# Altium PCB 考勤机主板3.0（改）.PcbDoc (continued)
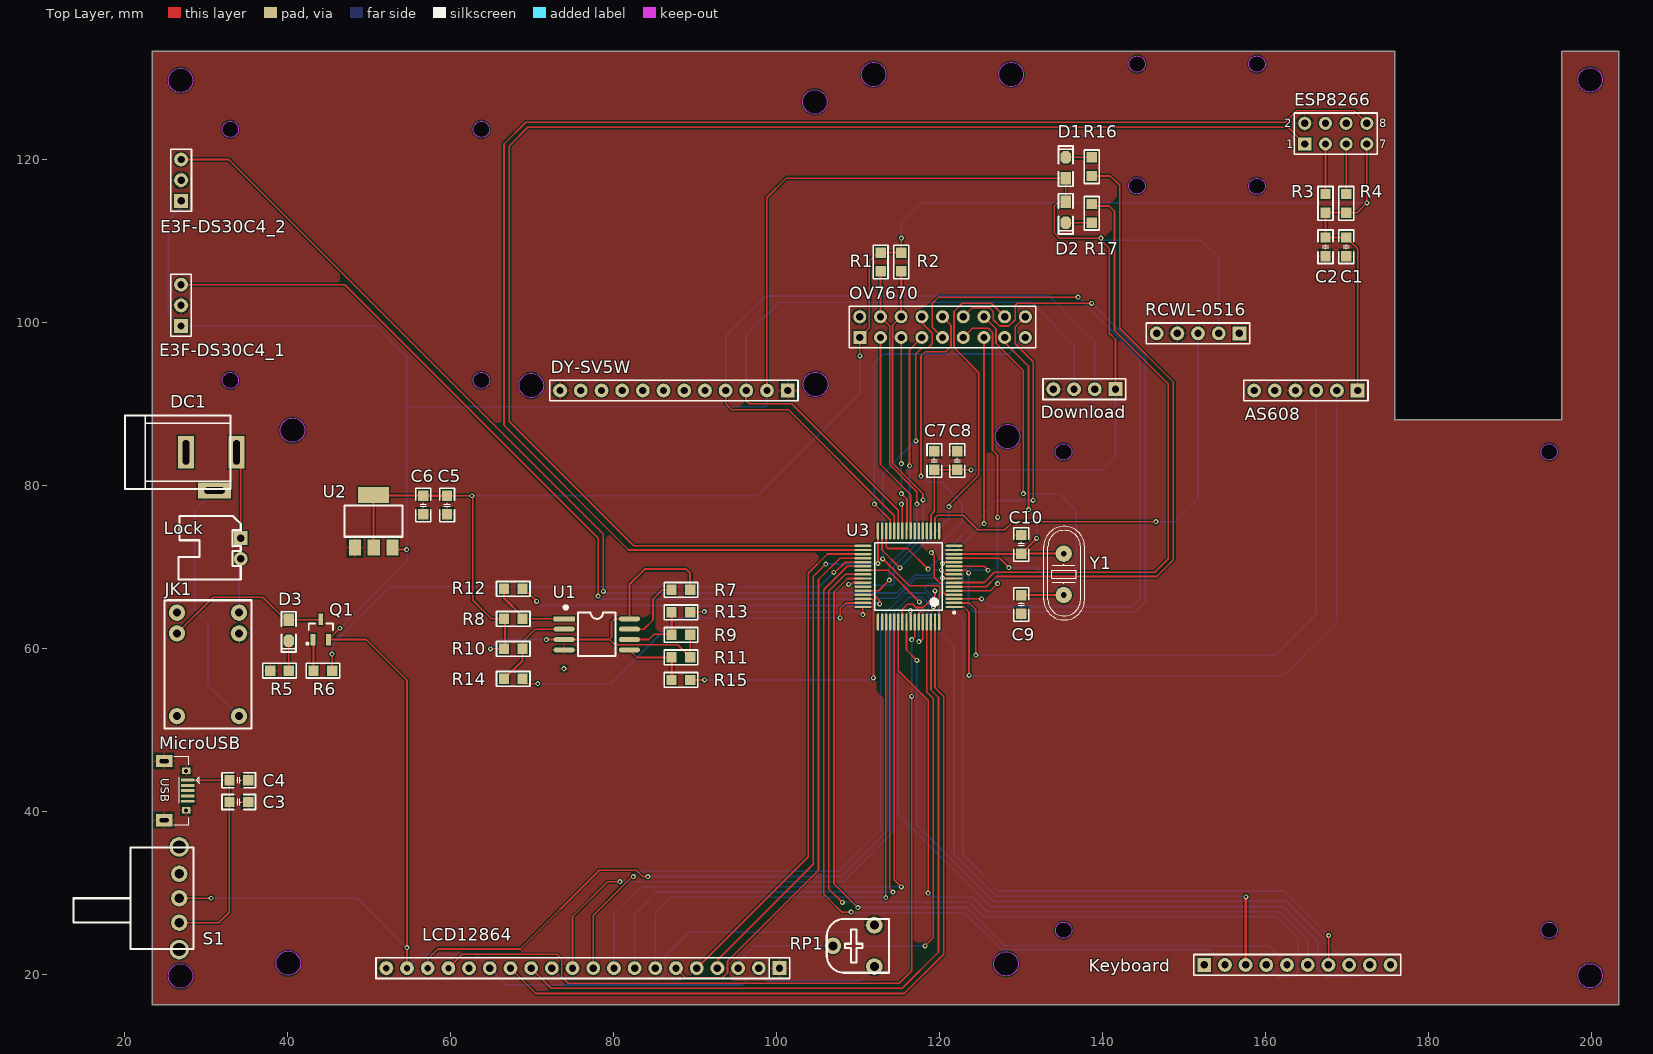
[diagram p0: Top Layer view]
## Nets (pads, with @x,y where several pads share a name; then routed paths per layer and width w, separated by ;. In a path a pad name is that pad's centre, name@x,y a point inside that pad or via, vN(x,y) a via of type N, cw(c..) or ccw(c..) an arc to the next point about the centre after c; other vN are vias at no path point) (continued)
  Bottom Layer w0.203: v1(80.772,31.369) 108.204,31.369 114.3,37.465 114.3,63.627 116.078,65.405 116.713,65.405 117.475,64.643 v1(117.475,60.833)
P05: LCD12864.12 U3.61 | length 91.1
  Top Layer w0.203: v1(118.237,23.495) 119.253,24.511 119.253,53.848 118.455,54.646 U3.61
  Bottom Layer w0.203: LCD12864.12 73.628,19.558 85.852,19.558 86.36,20.066 86.36,22.225 89.281,25.146 108.945,25.146 110.596,23.495 v1(118.237,23.495)
P06: LCD12864.13 U3.62 | length 93.8
  Top Layer w0.203: LCD12864.13 72.358,18.288 115.443,18.288 119.888,22.733 119.888,53.975 118.955,54.908 U3.62
P07: LCD12864.14 U3.63 | length 97.7
  Top Layer w0.203: LCD12864.14 70.453,17.653 115.697,17.653 120.523,22.479 120.523,54.102 119.455,55.17 U3.63
P10: OV7670.8 U3.64 | length 46
  Top Layer w0.203: v1(113.03,70.993) 116.332,67.691 119.919,67.691 120.038,67.572 120.038,66.571 119.978,66.511 119.978,64.225 119.974,64.221 119.974,63.253 U3.64 ; v1(117.094,85.471) 117.094,96.139 117.856,96.901 118.618,96.901 119.126,97.409 119.126,98.679 117.841,99.964 OV7670.8
  Bottom Layer w0.203: v1(113.03,70.993) 113.03,81.407 v1(117.094,85.471)
P11: OV7670.9 U3.3 | length 87.3
  Top Layer w0.203: OV7670.9 119.126,99.426 119.126,102.362 119.888,103.124 v1(137.033,103.124) ; U3.3 v1(125.178,66.084) ; v1(137.033,103.124) 136.969,103.124 137.019,103.075 136.824,103.075 136.873,103.124 v1(137.033,103.124)
  Bottom Layer w0.203: v1(125.178,66.084) 126.111,65.151 143.764,65.151 144.653,66.04 144.653,95.504 v1(137.033,103.124)
P12: OV7670.10 U3.4 | length 44.7
  Top Layer w0.203: v1(117.729,81.153) 117.602,81.153 117.538,81.216 117.729,81.407 117.729,95.885 118.237,96.393 120.777,96.393 121.412,97.028 121.412,97.952 ccw(c120.381,98.171) 121.412,98.39 121.412,99.68 121.352,99.74 OV7670.10 ; v1(118.999,71.755) 119.38,71.374 119.38,68.739 120.396,67.723 120.396,66.965 120.777,66.584 U3.4
  Bottom Layer w0.203: v1(117.729,81.153) 117.602,81.153 117.538,81.09 118.237,80.391 120.269,80.391 122.809,77.851 122.809,75.565 v1(118.999,71.755)
P13: OV7670.11 U3.5 | length 41.1
  Top Layer w0.203: U3.5 126.266,67.084 v1(127.127,67.945) ; OV7670.11 124.064,99.314 125.984,99.314 126.515,98.783 126.515,84.305 126.575,84.245 127.127,83.693 v1(127.127,76.073)
  Bottom Layer w0.203: v1(127.127,67.945) v1(127.127,76.073)
P14: OV7670.12 U3.10 | length 87.9
  Top Layer w0.203: U3.10@121.793,69.596 123.317,69.596 123.571,69.342 v1(123.571,69.263) ; OV7670.12 124.064,101.854 126.111,101.854 126.619,101.346 126.619,100.33 127.381,99.568 128.524,99.568 129.286,100.33 129.286,102.108 129.54,102.362 v1(138.684,102.362)
  Bottom Layer w0.203: v1(123.571,69.263) 123.571,65.151 124.206,64.516 144.018,64.516 145.288,65.786 145.288,95.758 v1(138.684,102.362)
P15: OV7670.13 U3.12 | length 31.6
  Top Layer w0.203: v1(120.355,70.399) 120.396,70.358 120.622,70.584 U3.12 ; v1(125.476,75.311) OV7670.13@125.476,98.171
  Bottom Layer w0.203: v1(120.355,70.399) 120.396,70.358 125.349,75.311 v1(125.476,75.311)
P16: C9.2 OV7670.14 U3.13 Y1.2 | length 62.7
  Top Layer w0.203: U3.13 127.417,71.084 128.524,69.977 v1(128.524,69.913) ; OV7670.14 125.467,100.711 126.947,99.231 126.947,98.448 126.947,97.462 130.302,94.107 v1(130.302,78.994)
  Top Layer w0.254: C9.2 Y1.2
  Bottom Layer w0.203: v1(128.524,69.913) 131.889,69.913 Y1.2 136.779,68.072 136.779,76.962 134.747,78.994 v1(130.302,78.994)
P17: C10.2 OV7670.15 U3.14 Y1.1 | length 42.8
  Top Layer w0.203: U3.14 C10.2@130.048,71.584 ; OV7670.15@128.268,97.904 OV7670.15 128.001,97.551 130.937,94.615 v1(130.937,77.03) ; C10.2 v1(131.931,73.511)
  Top Layer w0.254: C10.2 Y1.1
  Bottom Layer w0.203: v1(130.937,77.03) 131.931,76.036 v1(131.931,73.511)
P20: OV7670.6 R2.1 U3.42 | length 49.5
  Top Layer w0.203: v1(108.839,67.869) 108.907,67.801 109.076,67.801 109.359,68.084 U3.42 ; OV7670.6 114.245,99.655 114.245,82.732 117.983,78.994 v1(117.983,78.232)
  Top Layer w0.254: OV7670.6 115.301,104.125 115.316,104.14 115.316,106.172 R2.1@115.443,106.299
  Bottom Layer w0.203: v1(108.839,67.869) 111.523,67.869 111.65,67.742 114.224,67.742 114.421,67.939 114.421,70.098 117.983,73.66 v1(117.983,78.232)
P21: OV7670.4 R1.1 U3.44 | length 44.9
  Top Layer w0.203: U3.44 112.55,67.084 v1(113.855,68.389) ; OV7670.4 113.889,99.583 113.889,82.58 117.221,79.248 v1(117.221,77.724)
  Top Layer w0.254: OV7670.4 R1.1@112.761,106.299
  Bottom Layer w0.203: v1(113.855,68.389) 113.855,70.294 117.221,73.66 v1(117.221,77.724)
P32: OV7670.17 U3.29 | length 41.2
  Top Layer w0.203: v1(112.014,77.724) 113.955,75.783 U3.29
  Bottom Layer w0.203: v1(112.014,77.724) 112.014,94.996 113.157,96.139 128.509,96.139 OV7670.17 OV7670.17@130.541,98.201
P33: OV7670.18 U3.30 | length 48.6
  Top Layer w0.203: U3.30 113.455,72.473 113.665,72.263 116.078,72.263 v1(118.618,69.723) ; OV7670.18 129.286,99.456 129.286,97.409 131.496,95.199 v1(131.496,78.162)
  Bottom Layer w0.203: v1(118.618,69.723) 127.057,78.162 v1(131.496,78.162)
P34: OV7670.16 U3.31 | length 50.8
  Top Layer w0.203: U3.31 112.955,72.084 v1(115.14,69.899) ; v1(121.158,77.406) 121.158,77.597 124.841,81.28 124.841,93.853 121.793,96.901 121.793,101.346 122.809,102.362 126.35,102.362 OV7670.16
  Bottom Layer w0.203: v1(115.14,69.899) 121.158,75.917 v1(121.158,77.406) 121.158,76.073
P35: LCD12864.4 U3.32 | length 65.6
  Top Layer w0.203: LCD12864.4 92.787,20.797 92.787,21.794 104.521,33.528 104.521,68.834 v1(106.045,70.358) ; v1(112.455,70.425) U3.32
  Bottom Layer w0.203: v1(106.045,70.358) 112.388,70.358 v1(112.455,70.425)
P36: LCD12864.5 U3.35 | length 61.8
  Top Layer w0.203: LCD12864.5 103.886,34.436 103.886,69.215 106.255,71.584 U3.35
P37: LCD12864.6 U3.36 | length 66.5
  Top Layer w0.203: LCD12864.6 88.868,19.558 93.345,19.558 93.98,20.193 93.98,21.59 105.156,32.766 105.156,68.453 107.787,71.084 U3.36
P41: R6.2 U3.37 | length 72.5
  Top Layer w0.203: R6.2 v1(45.466,59.309) ; v1(107.029,69.342) 107.188,69.342 108.43,70.584 U3.37
  Bottom Layer w0.203: v1(45.466,59.309) 45.466,60.452 52.578,67.564 105.251,67.564 v1(107.029,69.342)
P43: LCD12864.17 U3.58 | length 103.9
  Top Layer w0.203: LCD12864.17 61.449,22.479 73.025,22.479 73.66,21.844 73.66,19.685 74.422,18.923 115.062,18.923 116.586,20.447 v1(116.586,54.102) ; v1(116.586,61.087) 116.955,61.456 U3.58
  Bottom Layer w0.203: v1(116.586,54.102) v1(116.586,61.087)
P44: LCD12864.18 U3.11 | length 117.6
  Top Layer w0.203: LCD12864.18 57.188,21.882 58.42,23.114 68.58,23.114 78.232,32.766 82.804,32.766 83.566,32.004 v1(84.201,32.004) ; U3.11 125.496,70.084 v1(125.984,69.596)
  Bottom Layer w0.203: v1(84.201,32.004) 107.95,32.004 113.665,37.719 113.665,63.627 116.332,66.294 117.856,66.294 118.618,65.532 118.618,64.262 118.745,64.135 119.769,64.135 119.888,64.254 119.888,65.659 118.194,67.353 118.194,67.521 118.618,67.945 122.555,67.945 122.936,68.326 122.936,69.596 123.161,69.821 123.802,69.821 124.028,69.596 v1(125.984,69.596)
P54: RCWL-0516.3 U3.18 | length 56.6
  Top Layer w0.203: U3.18 119.455,76.021 119.761,76.327 122.936,76.327 124.714,74.549 128.016,74.549 129.032,75.565 v1(146.558,75.565)
  Bottom Layer w0.203: v1(146.558,75.565) 148.971,75.565 151.737,78.331 RCWL-0516.3
P60: R16.2 U3.6 | length 80.9
  Top Layer w0.203: U3.6 125.75,67.584 127,68.834 146.685,68.834 148.717,70.866 148.717,92.71 142.113,99.314 142.113,116.84 140.97,117.983 R16.2
P61: R17.2 U3.7 | length 75.3
  Top Layer w0.203: U3.7 125.488,68.084 126.746,69.342 146.431,69.342 148.082,70.993 148.082,92.456 141.478,99.06 141.478,113.665 140.843,114.3 139.319,114.3
P62: E3F-DS30C4_1.3 U3.8 | length 116.1
  Top Layer w0.203: E3F-DS30C4_1.3 46.99,104.648 78.105,73.533 v1(78.105,66.421) ; v1(120.355,68.621) 120.392,68.584 U3.8
  Bottom Layer w0.203: v1(78.105,66.421) 78.486,66.04 112.078,66.04 112.214,66.176 114.649,66.176 117.078,68.605 120.339,68.605 v1(120.355,68.621)
P63: E3F-DS30C4_2.3 U3.9 | length 122.5
  Top Layer w0.203: E3F-DS30C4_2.3 32.766,120.015 78.74,74.041 v1(78.74,67.005) ; v1(120.222,69.643) 120.781,69.084 U3.9
  Bottom Layer w0.203: v1(78.74,67.005) 78.85,67.005 79.053,66.802 114.756,66.802 116.915,68.961 118.872,68.961 119.554,69.643 v1(120.222,69.643)
P65: OV7670.3 U3.24 | length 25.3
  Top Layer w0.203: OV7670.3 112.761,82.565 116.455,78.871 U3.24
P66: OV7670.5 U3.25 | length 24
  Top Layer w0.203: v1(115.316,78.994) 116.014,78.296 116.014,74.493 U3.25 ; v1(115.316,82.677) OV7670.5@115.316,98.156
  Bottom Layer w0.203: v1(115.316,78.994) v1(115.316,82.677)
P67: OV7670.7 U3.26 | length 24.8
  Top Layer w0.203: v1(115.316,77.724) 115.455,77.585 U3.26 ; v1(116.332,82.423) 116.332,96.662 OV7670.7
  Bottom Layer w0.203: v1(115.316,77.724) 116.332,78.74 v1(116.332,82.423)
P70: Keyboard.2 U3.38 | length 96.2
  Top Layer w0.203: v1(109.156,27.622) 108.014,27.622 106.389,29.247 105.791,29.845 105.791,67.183 108.692,70.084 U3.38
  Bottom Layer w0.203: v1(109.156,27.622) 109.22,27.559 123.063,27.559 127.58,23.042 153.155,23.042 Keyboard.2
P71: Keyboard.3 U3.39 | length 87.6
  Top Layer w0.203: U3.39 113.677,69.584 v1(117.538,65.722)
  Top Layer w0.254: Keyboard.3 157.593,21.172 157.593,29.501 v1(157.607,29.515)
  Bottom Layer w0.203: v1(117.538,65.722) 118.051,65.21 118.051,64.067 121.793,60.325 121.793,34.798 127,29.591 157.531,29.591 v1(157.607,29.515)
P72: Keyboard.4 U3.40 | length 110.6
  Top Layer w0.203: v1(108.077,28.829) 106.426,30.48 106.426,67.056 108.454,69.084 U3.40
  Bottom Layer w0.203: v1(108.077,28.829) 123.698,28.829 123.699,28.828 125.476,27.051 161.417,27.051 163.957,24.511 163.957,20.193 163.449,19.685 161.592,19.685 Keyboard.4
P73: Keyboard.5 U3.41 | length 99.8
  Top Layer w0.203: v1(109.982,28.194) 107.061,31.115 107.061,66.929 108.711,68.579 110.6,68.579 U3.41
  Bottom Layer w0.203: v1(109.982,28.194) 112.84,28.194 123.317,28.194 128.016,23.495 160.401,23.495 Keyboard.5@162.699,21.197
P74: Keyboard.6 U3.54 | length 86.8
  Top Layer w0.203: U3.54 114.955,57.257 118.618,53.594 118.619,53.593 v1(118.618,29.972)
  Bottom Layer w0.203: v1(118.618,29.972) 119.126,29.464 124.079,29.464 125.857,27.686 161.798,27.686 165.199,24.285 Keyboard.6
P75: Keyboard.7 U3.55 | length 93.8
  Top Layer w0.203: U3.55 115.443,63.246 115.443,64.77 116.078,65.405 116.713,65.405 117.094,65.024 117.995,65.024 119.454,66.483 v1(119.454,67.056) ; Keyboard.7@167.767,21.948 v1(167.767,24.765)
  Top Layer w0.254: Keyboard.7 167.767,21.186 167.64,21.313 167.767,21.44 167.513,21.694 Keyboard.7@167.767,21.948
  Bottom Layer w0.203: v1(119.454,67.056) 122.936,63.574 122.936,34.671 127.381,30.226 162.306,30.226 v1(167.767,24.765)
P76: Keyboard.8 U3.56 | length 85.6
  Top Layer w0.203: U3.56 115.955,59.813 v1(117.221,58.547)
  Bottom Layer w0.203: v1(117.221,58.547) 117.221,38.354 126.619,28.956 162.56,28.956 Keyboard.8@170.319,21.197
P77: Keyboard.9 U3.57 | length 95.8
  Top Layer w0.203: v1(116.443,64.631) 116.449,64.625 116.449,63.24 U3.57
  Bottom Layer w0.203: v1@116.443,64.5 114.935,62.992 114.935,39.624 126.238,28.321 162.179,28.321 166.497,24.003 166.497,20.574 167.386,19.685 171.346,19.685 Keyboard.9
  Bottom Layer w0.254: v1@116.443,64.5 v1(116.443,64.631)
V0: LCD12864.3 RP1.2 | length 13.2
  Bottom Layer w0.203: LCD12864.3 95.288,21.501 97.282,23.495 RP1.2
VCC: C7.1 C8.1 D1.1 D2.1 Download.1 DY-SV5W.2 E3F-DS30C4_1.1 E3F-DS30C4_2.1 LCD12864.2 LCD12864.15 LCD12864.19 Q1.2 RCWL-0516.2 RP1.1 S1.2 U2.3 U3.19 | length 430.3
  Top Layer w0.203: S1.2 v1(30.607,29.337) ; Q1.2@44.892,61.087 Q1.2 ; v1(46.402,62.476) 46.402,62.47 Q1.2 ; U2.3 53.114,72.136 v1(54.61,72.136) ; LCD12864.19 v1(54.648,23.279) 54.648,56.096 49.657,61.087 Q1.2 ; LCD12864.2@97.828,20.155 LCD12864.2 ; DY-SV5W.2@98.806,91.694 98.806,115.316 101.219,117.729 D1.1 D2.1 134.62,114.808 134.112,114.3 134.112,110.998 134.747,110.363 v1(139.827,110.363) ; U3.19 118.955,76.41 119.38,76.835 C7.1 C8.1 v1(123.88,81.915) ; v1@139.827,110.109 140.843,109.093 140.843,98.679 141.605,97.917 Download.1
  Top Layer w0.254: E3F-DS30C4_2.1@26.924,114.173 E3F-DS30C4_2.1
  Bottom Layer w0.203: E3F-DS30C4_1.1 50.8,99.568 54.61,95.758 54.61,90.043 ; v1(30.607,29.337) 48.59,29.337 v1(54.648,23.279) ; v1(46.402,62.476) 46.408,62.476 54.61,70.678 v1(54.61,72.136) 54.61,90.043 ; LCD12864.19 56.369,22.479 63.087,22.479 ; LCD12864.2@97.828,20.155 98.806,19.177 110.236,19.177 RP1.1 ; DY-SV5W.2@98.806,91.694 98.806,89.781 98.687,89.662 54.991,89.662 54.61,90.043 ; v1@123.77,81.915 v1(123.88,81.915) 124.007,81.915 139.954,81.915 141.605,83.566 Download.1 ; v1@139.827,110.109 152.146,110.109 154.277,107.978 RCWL-0516.2
  Bottom Layer w0.254: E3F-DS30C4_1.1 25.4,101.086 25.4,112.649 E3F-DS30C4_2.1@26.924,114.173 ; 63.087,22.479 LCD12864.15 66.897,18.669 95.739,18.669 LCD12864.2
VCC_3.3V: AS608.1 C1.2 C2.2 C5.2 C6.2 ESP8266.7 OV7670.1 R1.2 R2.2 R3.2 R4.2 R7.2 R8.2 R9.2 R10.2 R11.2 U1.3 U1.8 U2.2 | length 264.5
  Top Layer w0.203: U2.2@50.543,72.407 U2.2@50.543,78.83 ; C5.2@59.817,78.74 v1(62.611,78.74) ; v1@62.738,78.74 62.738,65.913 65.024,63.627 R8.2@66.452,63.627 ; v1(64.897,59.944) R10.2 ; R10.2@66.41,59.69 R10.2@66.452,59.648 ; v1(71.755,61.087) 73.939,61.087 U1.3 79.494,61.095 ; U1.8 80.145,63.635 79.756,63.246 79.756,61.357 79.494,61.095 ; R11.2 R9.2 ; R11.2@89.408,58.928 87.884,60.452 80.137,60.452 79.494,61.095 ; v1(110.221,95.9) OV7670.1 111.373,99.323 111.373,107.563 R1.2@112.395,108.585 ; v1(115.316,110.363) 115.316,109.093 R2.2@115.824,108.585 ; C2.2 169.418,110.441 169.705,110.441 C1.2 171.323,109.044 AS608.1 ; C1.2@169.705,110.41 C1.2@170.27,110.974 ; R4.2 171.27,113.489 172.462,114.681 v1(172.466,114.681) 172.458,114.689 ESP8266.7
  Top Layer w0.254: U2.2@50.543,78.769 C6.2@56.642,78.769 ; C6.2 C5.2@59.69,78.74 ; C5.2 C5.2@59.817,78.74 ; R10.2 66.667,60.063 66.667,63.508 R8.2 ; U1.8 81.947,67.85 83.82,69.723 88.9,69.723 89.408,69.215 R7.2 ; R9.2@89.408,61.849 R9.2@89.464,61.793 ; R1.2@112.395,108.585 R2.2@115.824,108.585 ; C2.2 R3.2 169.418,113.489 R4.2
  Bottom Layer w0.203: v1@62.738,78.74 97.663,78.74 110.221,91.298 v1(110.221,95.9) ; v1(64.897,59.944) 66.04,61.087 v1(71.755,61.087) ; v1(115.316,110.363) 115.316,112.268 117.729,114.681 v1(172.466,114.681)
VCC_12V: DC1.1 Lock.1 | length 10.8
  Top Layer w0.203: DC1.1 34.241,83.554 Lock.1
VIN: C3.2 C4.2 MicroUSB.1 S1.1 | length 28.1
  Top Layer w0.203: S1.1 31.544,26.337 32.831,27.624 C4.2@32.831,43.815 ; MicroUSB.1@27.612,43.845 MicroUSB.1 27.769,43.815 C4.2@32.831,43.815 ; C4.2 C4.2@32.831,43.815
WCS: R8.1 R12.2 U1.1 | length 9.7
  Top Layer w0.203: R8.1 73.939,63.627 U1.1
  Top Layer w0.254: R12.2 66.548,66.19 68.834,63.904 R8.1
WMI: R11.1 R15.2 U1.5 | length 8.2
  Top Layer w0.203: U1.5 82.876,58.896 R11.1 R11.1@86.9,58.674
  Top Layer w0.254: R15.2@87.122,56.261 87.147,56.286 R11.1@87.147,58.491 ; R11.1@87.122,59.182 R11.1@87.178,59.126
WMO: R10.1 R14.2 U1.2 | length 11.3
  Top Layer w0.203: R10.1@68.8,59.978 R10.1 68.834,60.833 70.366,62.365 U1.2
  Top Layer w0.254: R14.2@66.56,56.25 68.834,58.524 R10.1
WRST: R7.1 U1.7 | length 8.7
  Top Layer w0.203: U1.7 83.701,62.365 84.836,63.5 84.836,66.04 85.979,67.183 R7.1 ; R7.1@87.122,67.31 R7.1@87.147,67.335
WSCK: R9.1 R13.2 U1.6 | length 8
  Top Layer w0.203: U1.6 84.336,61.095 84.963,61.722 R9.1@87.122,61.722
  Top Layer w0.254: R13.2@87.122,64.643 R13.2@87.178,64.587 ; R9.1@87.147,61.722 R13.2@87.147,64.206
pads on no net: AS608.5 AS608.6 DY-SV5W.5 DY-SV5W.6 DY-SV5W.7 DY-SV5W.8 DY-SV5W.9 DY-SV5W.10 DY-SV5W.11 ESP8266.4 ESP8266.6 JK1.1 JK1.3 Keyboard.1 Keyboard.10 LCD12864.16 MicroUSB.2 MicroUSB.3 MicroUSB.4 RCWL-0516.1 RCWL-0516.5 S1.0 S1.3 U3.16 U3.17 U3.20 U3.22 U3.23 U3.43 U3.49 U3.50

## Polygon pours and split planes (outlines as drawn)
GND on Top Layer "Top Layer GND" (solid, pour order 52): 23.368,133.288 23.368,16.288 203.368,16.288 203.368,133.288 196.368,133.288 196.368,88.088 175.868,88.088 175.868,133.288
GND on Bottom Layer "Bottom Layer GND" (solid, pour order 53): 23.368,133.288 23.368,16.288 203.368,16.288 203.368,133.288 196.368,133.288 196.368,88.088 175.868,88.088 175.868,133.288

## Other copper
Top Layer:
  pour cut-out: 74.041,18.923 74.041,18.669 73.919,18.547 74.359,18.547 74.359,18.661 74.372,18.674
  pour cut-out: 72.009,18.288 72.009,18.034 71.887,17.912 72.295,17.912 72.295,18.026 72.308,18.039
  pour cut-out: 88.542,19.558 88.519,19.535 88.519,19.304 88.397,19.182 88.805,19.182 88.805,19.296 88.818,19.309
  pour cut-out: 94.239,20.193 94.234,20.188 94.234,19.558 94.61,19.182 93.408,19.182 93.408,19.296 93.395,19.309
  pour cut-out: 105.156,32.385 105.41,32.385 105.532,32.263 105.532,32.703 105.432,32.703 105.395,32.667
  pour cut-out: 162.532,124.348 163.152,124.968 163.195,124.968 163.195,123.952
  pour cut-out: 87.909,62.446 88.621,62.446 88.621,60.871 89.149,60.871 89.149,59.684 89.019,59.684 89.019,59.699 87.909,60.809
  pour cut-out: 117.592,101.639 118.089,101.833 118.867,102.441 118.867,101.055 118.765,101.055 118.74,101.029
  pour cut-out: 121.534,100.09 121.368,100.09 120.331,101.127 119.385,101.127 119.385,102.255 119.995,102.865 136.656,102.865 136.773,102.748 136.734,102.709 136.734,102.621 129.461,102.621 129.131,102.291 129.103,102.291 129.103,101.13 129.002,101.029 128.049,101.029 126.533,102.545 122.766,102.545 122.71,102.601 121.638,101.529 121.61,101.529
  pour cut-out: 125.735,97.254 125.902,97.254 126.14,97.492 126.18,97.452 126.256,97.452 126.256,84.198 126.38,84.074 125.857,84.074 125.73,83.947 125.71,83.967 125.71,97.243
  pour cut-out: 104.648,71.882 105.156,71.374 105.156,70.851 106.003,71.698 105.95,71.751 105.95,71.825
  pour cut-out: 123.308,65.325 123.255,65.272 123.255,65.17 123.893,64.532 123.893,59.328 123.997,59.328 124.201,59.532 124.201,64.663 123.539,65.325
  pour cut-out: 123.06,66.825 122.99,66.755 122.99,66.471 123.06,66.4 123.06,66.343 124.801,66.343 125.008,66.55 125.321,66.55 125.644,66.227 125.644,66.124 126.365,66.845
  pour cut-out: 46.482,105.918 46.482,105.156 46.233,104.907 47.097,104.907 78.354,73.65 78.354,73.583 78.469,73.583 78.481,73.596 78.544,73.533 78.994,73.533 79.375,73.914 80.376,73.914 81.947,72.343 82.178,72.343 82.178,72.417 82.231,72.47 66.934,87.767 66.934,87.834 66.819,87.834 66.807,87.821 66.807,87.483 66.695,87.483 66.294,87.884 66.04,87.63 64.77,87.63
  pour cut-out: 79.86,61.095 80.244,60.711 81.427,60.711 83.242,58.896 87.915,58.896 87.915,58.114 88.621,58.109 88.621,59.349 87.777,60.193 83.952,60.193 84.336,60.587 84.336,60.729 84.582,60.706 86.101,60.587 86.233,60.579 86.36,60.706 87.968,60.706 87.909,60.765 87.909,61.968 86.868,62.23 86.397,61.981 85.603,61.981 85.09,62.484 85.09,63.386 84.582,64.262 83.693,63.754 83.363,63.83 80.743,63.209 80.576,63.376 80.252,63.376 80.015,63.139
  pour cut-out: 141.102,98.997 141.102,98.786 141.864,98.024 141.864,97.668 141.986,97.79 142.494,97.79 141.274,99.01 141.114,99.01
  pour cut-out: 112.239,54.788 113.157,53.87 113.157,61.956 112.997,62.116 112.275,62.116 112.168,62.009
  pour cut-out: 112.168,64.459 112.63,64.459 112.737,64.352 112.843,64.458 119.888,64.458 119.888,70.591 120.025,70.729 119.634,71.12 119.168,71.12 117.664,72.624 117.664,73.243 112.343,73.243 112.17,73.416 111.623,72.869 111.623,65.004
  pour cut-out: 122.936,70.993 122.936,68.326 122.745,68.135 122.797,68.084 126.694,68.084 128.524,69.913 127.612,70.825 127.31,70.825
  pour cut-out: 114.935,62.103 115.189,61.849 118.745,61.849 118.745,54.737 118.11,54.102 114.955,57.257
  pour cut-out: 115.112,18.674 115.112,18.559 115.125,18.547 115.336,18.547 119.629,22.84 119.629,24.448 119.515,24.448 119.502,24.461 118.687,23.646 118.687,23.336 118.415,23.064 118.314,23.165 117.907,23.165 117.907,23.825 118.027,23.945 117.152,23.945 116.845,24.252 116.845,20.34 115.245,18.74
  pour cut-out: 114.569,76.551 114.622,76.604 114.696,76.604 114.696,76.835 101.747,89.784 96.568,89.784 96.027,90.325 96.027,90.185 95.382,89.54 101.58,89.54
  pour cut-out: 113.02,97.247 113.177,97.247 113.852,97.922 116.229,97.922 116.229,97.766 116.459,97.536 117.263,97.536 117.698,97.101 116.835,96.238 116.835,85.212 116.073,84.45 116.073,82.164 115.824,81.915 115.824,81.519 116.962,80.381 116.962,78.099 116.841,77.978 116.802,78.017 116.714,78.017 116.714,78.95 113.02,82.644
  pour cut-out: 125.09,93.903 122.052,96.941 122.052,100.07 123.577,101.595 124.84,101.595 124.84,100.972 126.153,99.659 125.217,98.723 125.217,93.916
  pour cut-out: 90.837,19.817 92.119,19.817 93.647,21.345 93.721,21.345 93.721,21.697 104.897,32.873 104.897,33.738 104.25,34.386 104.135,34.386 104.135,34.315 91.084,21.264
  pour cut-out: 106.807,31.242 106.807,31.115 105.791,30.099 108.009,27.881 109.354,27.881 109.541,28.068 109.532,28.077 109.532,28.277
  pour cut-out: 139.926,110.348 140.193,110.348 141.219,111.374 141.219,109.156 141.105,109.156 141.092,109.143 140.01,110.225 140.01,110.292
  pour cut-out: 140.942,114.539 141.846,115.443 141.859,115.443 141.859,113.733 141.854,113.728 141.817,113.764 141.717,113.764 141.717,113.725 140.942,114.5
  pour cut-out: 113.67,30.088 113.737,30.088 113.797,30.148 114.122,29.823 114.122,29.658 113.877,29.413 113.67,29.62
  pour cut-out: 114.178,31.332 114.178,30.664 114.201,30.664 114.766,30.099 114.766,30.184 114.986,30.404 114.866,30.524 114.866,30.817 114.305,31.379 114.258,31.332
  pour cut-out: 120.787,64.799 120.758,64.77 120.142,64.77 120.142,66.381 120.341,66.58 120.415,66.58 120.415,66.576 120.67,66.321
Bottom Layer:
  pour cut-out: 115.062,39.116 114.681,39.116 114.559,38.994 114.559,39.561 114.673,39.561 114.686,39.574
  pour cut-out: 109.093,31.877 109.093,31.242 109.342,30.993 108.267,30.993 108.267,31.107 108.254,31.12
  pour cut-out: 69.088,67.31 70.128,66.27 70.128,65.964 70.271,65.964 70.558,66.252 70.695,66.116 70.888,66.116 70.888,65.923 71.174,65.637 71.174,65.537 77.792,65.537 77.978,65.722 77.978,66.545 77.218,67.305
  pour cut-out: 115.824,83.82 115.824,83.439 116.409,82.854 116.297,82.854 115.866,82.423 116.073,82.216 116.073,78.847 115.399,78.174 115.106,78.174 114.986,78.054 114.986,78.664 115.393,78.664 115.494,78.563 115.782,78.851 115.782,79.164 115.575,79.371 115.575,82.327 115.747,82.499 115.646,82.6 115.646,83.007 115.595,83.007 115.459,83.143 115.316,83.143 115.316,83.192 115.248,83.259
  pour cut-out: 100.274,102.992 100.262,102.98 100.262,102.82 100.334,102.748 131.44,102.748 131.953,102.235 131.953,102.743 132.207,102.997
  pour cut-out: 46.853,62.554 46.849,62.551 46.849,62.381 46.904,62.381 46.966,62.319 52.451,67.803 53.325,67.803 53.34,67.818 52.959,68.199 52.959,68.707
  pour cut-out: 158.064,29.972 157.861,29.769 157.861,29.047 158.079,28.829 162.687,28.829 162.687,28.38 161.848,27.542 161.848,26.919 161.887,26.919 164.216,24.59 164.216,21.722 164.333,21.722 164.592,21.463 164.73,21.601 167.493,19.944 171.357,19.704 172.306,22.034 170.785,22.034 170.017,22.135 168.862,23.205 162.397,29.972
  pour cut-out: 71.555,20.25 71.167,19.479 71.12,19.431 70.612,18.923 89.064,18.923 88.542,19.558 88.542,20.25 87.226,19.884 86.746,20.365 86.721,20.339 86.619,20.339 86.619,19.959 86.035,19.375 85.928,19.375 85.852,19.299 85.832,19.319 73.501,19.319 72.936,19.884 72.833,19.781 72.023,19.781 71.922,19.882
  pour cut-out: 81.789,31.495 82.55,30.734 82.55,30.226 82.804,30.48 84.582,30.48 84.836,30.226 84.836,29.845 86.36,29.845 86.614,29.591 86.614,29.337 86.99,29.713 87.072,29.713 87.072,29.828 86.679,30.22
  pour cut-out: 123.38,28.57 123.416,28.533 123.416,28.433 123.459,28.433 126.111,25.781 126.111,26.162 126.365,26.416 126.746,26.797 125.984,26.797 123.591,28.57
  pour cut-out: 77.216,67.31 78.395,67.31 78.078,66.421 78.352,66.421 79.256,67.325 105.359,67.325 107.046,69.012 107.359,69.012 107.359,69.419 107.46,69.52 108.4,68.58 108.458,68.58 108.458,68.502 108.661,68.299 108.373,68.012 108.373,67.726 108.661,67.438 108.832,67.61 111.443,67.61 111.551,67.503 114.351,67.503 114.456,67.608 114.495,67.569 115.184,67.569 114.686,67.061 112.078,67.061 112.055,67.084 112.055,66.507 112.117,66.445 112.117,66.416 112.088,66.416 111.79,66.118 111.79,65.712 111.838,65.664 111.711,65.537 111.384,65.537 110.617,64.77 110.617,64.628 110.586,64.597 107.864,64.597 107.524,64.257 107.563,64.218 107.563,64.13 107.54,64.13 107.447,64.037 107.447,64.014 91.462,64.014 91.422,64.052 91.422,64.14 91.539,64.257 91.422,64.374 91.422,64.98 91.461,65.019 90.948,65.532 77.851,65.532 77.978,65.786 77.775,66.091
  pour cut-out: 114.3,66.294 114.554,66.04 114.554,65.913 114.569,65.913 114.827,66.172 114.779,66.22 114.779,66.289
  pour cut-out: 115.278,70.589 115.317,70.55 115.317,70.448 115.406,70.448 118.872,73.914 118.618,73.914 118.242,74.29 118.242,73.553
  pour cut-out: 114.66,67.84 114.66,67.839 114.93,67.569 114.583,67.569 114.583,67.638 114.535,67.686
  pour cut-out: 118.137,69.75 116.915,69.22 118.319,69.22 118.358,69.259 118.358,69.347
  pour cut-out: 119.868,68.346 119.868,67.469 119.459,67.061 116.066,67.061 116.066,67.227 117.186,68.346
  pour cut-out: 115.918,66.53 116.153,66.294 116.332,66.294 116.332,66.04 113.406,63.114 113.406,37.826 113.104,37.525 113.015,37.614 113.015,63.627
  pour cut-out: 126.556,27.564 127.869,28.877 127.869,30.104 122.677,35.296 122.677,63.467 119.607,66.537 118.732,65.662 118.732,63.752 121.976,60.508 121.539,60.071 121.539,35.433 121.158,35.052 120.65,35.052 116.967,38.735 116.713,38.481 116.459,38.481 116.459,37.846 123.571,30.734 123.571,30.099 122.936,29.464
  pour cut-out: 118.701,29.522 118.745,29.479 118.745,29.21 118.623,29.088 119.063,29.088 119.063,29.202 119.076,29.215
  pour cut-out: 99.695,102.87 99.949,102.616 99.949,102.489 100.198,102.738 100.28,102.738 100.28,102.853 100.262,102.87

## Silkscreen, mask and mechanical layers (free items; w line width, h text height)
Mechanical 1:
  circle w0.254: c40.598,86.787 r1.5
  circle w0.254: c104.781,92.403 r1.5
  circle w0.254: c32.965,123.706 r1
  circle w0.254: c135.221,84.119 r1
  circle w0.254: c40.079,21.367 r1.5
  circle w0.254: c158.974,116.723 r1
  circle w0.254: c144.253,116.768 r1
  circle w0.254: c158.974,131.723 r1
  circle w0.254: c144.275,131.723 r1
  circle w0.254: c128.8,130.452 r1.5
  circle w0.254: c111.924,130.452 r1.5
  circle w0.254: c104.708,127.081 r1.5
  circle w0.254: c69.903,92.276 r1.5
  circle w0.254: c199.868,129.788 r1.5
  circle w0.254: c194.842,84.122 r1
  circle w0.254: c194.842,25.414 r1
  circle w0.254: c135.245,25.414 r1
  circle w0.254: c63.779,123.706 r1
  circle w0.254: c63.779,92.892 r1
  circle w0.254: c32.965,92.892 r1
  circle w0.254: c128.373,86.021 r1.5
  circle w0.254: c26.868,19.788 r1.5
  circle w0.254: c128.168,21.288 r1.5
  circle w0.254: c26.868,129.723 r1.5
  circle w0.254: c199.864,19.823 r1.5
  lines w0.254: 196.268,133.288 196.268,88.088 175.868,88.088 175.868,133.288 23.368,133.288 23.368,16.288 203.368,16.288 203.368,133.288 196.368,133.288
Mechanical 13:
  lines w0.254: 131.368,23.588 196.368,23.588 ; 175.868,87.088 175.868,145.288 161.368,145.288 161.368,120.288 175.868,120.288 ; 175.868,133.288 23.368,133.288 23.368,16.288 203.368,16.288 203.368,133.288 196.368,133.288 196.368,87.088 ; 196.368,87.088 131.368,87.088 131.368,18.288 196.368,18.288 196.368,87.088 ; 30.368,90.288 30.368,126.288 66.368,126.288 66.368,90.288 30.368,90.288 ; 37.368,18.288 130.368,18.288 130.368,88.288 37.368,88.288 37.368,18.288 ; 67.368,90.288 107.368,90.288 107.368,130.288 67.368,130.288 67.368,90.288 ; 108.368,96.788 132.368,96.788 132.368,133.288 108.368,133.288 108.368,96.788 ; 142.868,97.288 160.368,97.288 160.368,133.288 142.868,133.288 142.868,97.288

## Dimensions
196.368,133.288 to 196.368,88.088 on Mechanical 13
196.368,133.288 to 203.368,133.288 on Mechanical 13
175.868,133.288 to 196.368,133.288 on Mechanical 13
23.368,133.288 to 23.368,16.288 on Mechanical 13

## Text inside footprints (layer, text, board x,y; h text height)
ESP8266: Top Overlay "7" at 173.982,121.405 h1.02; Top Overlay "2" at 162.298,123.945 h1.02; Top Overlay "1" at 162.552,121.405 h1.02; Top Overlay "8" at 173.982,123.945 h1.02
MicroUSB: Top Overlay "USB" at 24.437,44.069 h1.02 r270